# Altium PCB Pleiades_PP.PcbDoc (part 15 of 15)
Units mil, origin at the board's own origin, x right, y up, seen from the top; angles counter-clockwise.
Board outline 12244.09 x 4515.28 mil, 12 copper layers (TOP, GND1, IN1, GND2, POW1, GND3, POW2, GND4, GND5, IN2, GND6, BOT), stack 63.546 mil thick; 1447 components, 738 nets, 4532 pads, 3316 vias.
Unrouted connection lines stored in the file: 499.
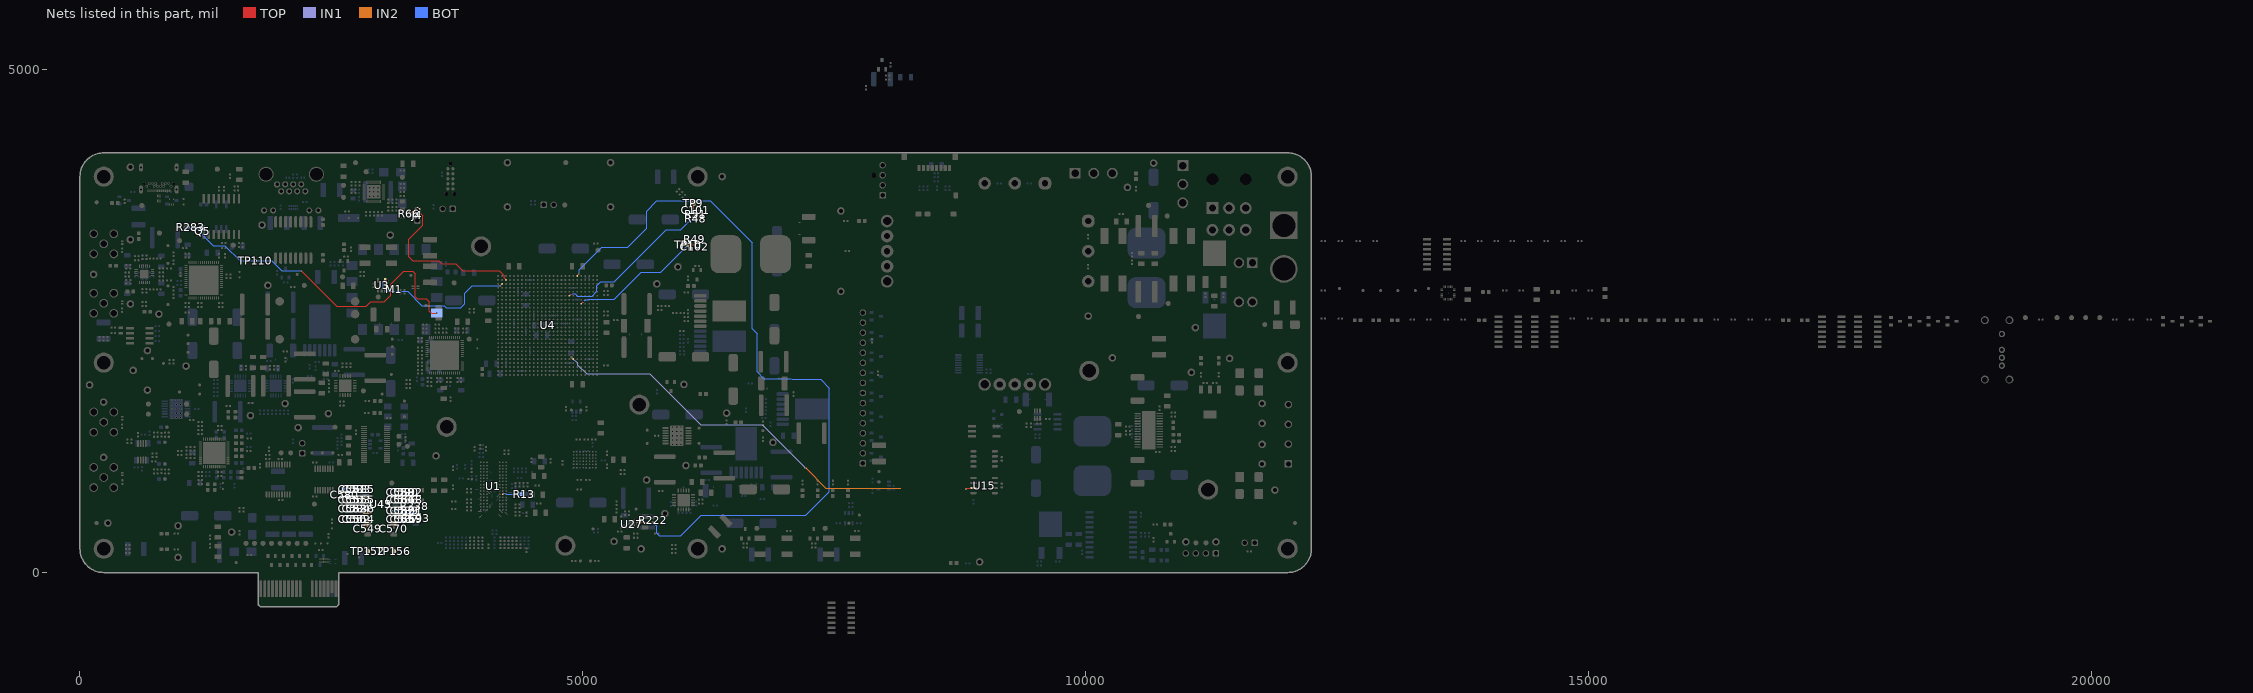
[diagram p25: the nets of this part, all layers, seen from the top]

## Via types
v1: diameter 12/18/18/18/18/18/18/18/18/18/18/12 (per signal layer), hole 6, TOP to BOT, 2739 vias
v2: diameter 20, hole 10, TOP to BOT, 363 vias
v3: diameter 19.68, hole 7.87, TOP to BOT, 110 vias
v4: diameter 40, hole 20, TOP to BOT, 36 vias
v5: diameter 25, hole 12, TOP to BOT, 32 vias
v6: diameter 22, hole 12, TOP to BOT, 27 vias
v7: diameter 19.68, hole 11.81, TOP to BOT, 9 vias

## Nets (pads, with @x,y where several pads share a name; then routed paths per layer and width w, separated by ;. In a path a pad name is that pad's centre, name@x,y a point inside that pad or via, vN(x,y) a via of type N, cw(c..) or ccw(c..) an arc to the next point about the centre after c; other vN are vias at no path point) (continued)
USM1_ISO: U4.Y5 U15.3 | length 3929
  TOP w5: v1(8810,830) 8820,840 U15.3@8883.7,840
  TOP w8.89: v1(4885.83,2141.73) U4.Y5@4905.51,2122.05
  IN1 w5: v1(4885.83,2141.73) 4948.56,2079 4948.56,2062.73 5036.3,1975 5663.68,1975 6170.56,1468.11 6781.89,1468.11 7210,1040 v1(7215,1040)
  IN2 w5: v1(7215,1040) 7415.32,839.68 8160.32,839.68
VBATT: C101.1 R48.1 R51.1 TP9.1 U4.W21 | length 1760.1
  TOP w8.89: U4.W21@4866.14,2751.97 v1(4885.83,2771.65)
  TOP w10: v1(6081.46,3520) R48.1@6103.96,3520 6101.98,3521.98 6101.98,3668.02 TP9.1@6100,3670
  BOT w8.89: v1(4885.83,2771.65) 4922.51,2771.65 4945.43,2748.73 5093.73,2748.73 5140,2795 5140,2852.23 5177.77,2890 5310,2890 5830,3410 5971.46,3410 v1(6081.46,3520)
VBUS_DETECT_16: M1.18 Q5.3 R283.2 TP110.1 | length 3431.7
  TOP w6: v1(2199,2999) 2551.5,2646.5 2846.5,2646.5 2890,2690 3025,2690 3090,2755 3090,2865 3220,2995 3310,2995 3335,2970 3335,2740 3355,2720 3445,2720 3475,2690 3475,2600 3496.22,2578.78 v1(3547.24,2578.78)
  BOT w6: R283.2@1082.5,3435 1082.5,3419.2 1086.01,3415.69 1201.32,3415.69 1205.38,3419.75 1207.26,3419.75 Q5.3@1220,3432.48 ; Q5.3@1220,3434.37 Q5.3@1220,3432.48 ; v1(2199,2999) 2006,2999 1905,3100 v1(1745,3100) 1591.29,3100 1441.29,3250 1322.93,3250 1220,3352.93 Q5.3@1220,3432.48
VDD1_PCI_1: C549.1 C550.1 C551.1 C552.1 C553.1 C554.1 C555.1 TP152.1 U43.3 U43.9 | length 425.5
  TOP w10: v1(2687.5,742.5) C551.1@2710,742.5 2710.74,743.24 2841.62,743.24 U43.3@2842.36,743.98 ; C550.1@2710,547.5 C552.1@2750,547.5 C554.1@2790,547.5 2795,552.5 2795,565.07 2820.36,590.43 U43.9@2842.36,590.43 ; v1(2812.5,471) C549.1@2835,471 ; v1(2858.58,448.5) C549.1@2858.58,471 ; TP152.1@2860,228.71 v1(2860,251.21) ; U43.9@2867.5,590.43 v1(2890,590.43) ; U43.3@2867.5,743.24 v1(2890,743.24)
VDD1_PCI_2: C580.1 C581.1 C582.1 C583.1 C584.1 C585.1 C586.1 U45.3 U45.9 | length 443.8
  BOT w10: v1(2610,790.5) C580.1@2610,813 ; C580.1@2630,828 2643.5,814.5 2788,814.5 C585.1@2790,812.5 2795,807.5 2795,794.93 2820.36,769.57 U45.9@2842.36,769.57 ; v1(2642.04,790.5) C580.1@2642.04,813 ; U45.3@2867.5,615.48 v1(2890,615.48)
  BOT w12: C582.1@2710,616.1 C582.1@2710,616.1 U45.3@2842.33,616.06 ; U45.3@2842.33,616.06 U45.3@2842.36,616.02
VDD2_PCI_1: C564.1 C565.1 C566.1 C567.1 C568.1 C569.1 C570.1 TP156.1 U43.12 U43.18 | length 455.5
  TOP w10: TP156.1@3120,228 v1(3120,250.5) ; v1(3121.42,448.5) C570.1@3121.42,471 ; U43.12@3137.64,590.43 3159.64,590.43 3185,565.07 3185,552.5 C565.1@3190,547.5 C567.1@3230,547.5 ; U43.18@3137.64,743.98 3138.38,743.24 3269.26,743.24 C568.1@3270,742.5 v1(3292.5,742.5) ; C570.1@3145,471 v1(3167.5,471) ; C565.1@3187.5,550 v1(3187.5,572.5) ; 3203.82,743.24 v1(3203.82,758.24) ; v1(3230,570) C567.1@3230,547.5 ; 3250,745 v1(3250,760) ; C569.1@3270,547.5 C567.1@3230,547.5
VDD2_PCI_2: C587.1 C588.1 C589.1 C590.1 C591.1 C592.1 C593.1 R338.2 U45.12 U45.18 | length 556.4
  BOT w10: v1(3089.68,788.46) 3089.68,775.42 3095.54,769.57 U45.12@3112.18,769.57 ; v1(3097.5,616.1) U45.18@3120,616.1 ; U45.18@3137.64,616.02 3138.86,614.8 3172.7,614.8 C587.1@3190,597.5 C589.1@3230,597.5 C591.1@3270,597.5 ; U45.12@3137.64,769.57 3179.14,769.57 3185,775.42 3185,777.5 C588.1@3190,782.5 C590.1@3230,782.5 C592.1@3270,782.5 v1(3292.5,782.5) ; 3210,782.5 v1(3210,797.5) ; 3250,782.5 v1(3250,797.5) ; v1(3270,575) C591.1@3270,597.5 ; R338.2@3347.5,660 3347.5,600.5 C593.1@3340,593 3335.5,597.5 C591.1@3270,597.5
VFS: C102.1 R49.1 TP10.1 U4.AB19 | length 1415.2
  TOP w8.89: U4.AB19@4984.25,2673.23 v1(5003.94,2692.91)
  TOP w10: TP10.1@6047.5,3260 6048.75,3258.75 6113.75,3258.75 C102.1@6115,3257.5 R49.1@6115,3297.5
  BOT w8.89: v1(5003.94,2692.91) 5025.4,2714.38 5055.31,2714.38 5055.93,2715 5310,2715 5582.19,2987.19 5775.94,2987.19 v1(6048.13,3259.38)
VTT_PG: R222.2 U4.AA26 U27.9 | length 7696.9
  TOP w8.89: U4.AA26@4944.88,2948.82 v1(4964.57,2968.5)
  TOP w10: U27.9@5540.24,500.45 5540.51,500.73 5697.58,500.73 R222.2@5700.12,503.27
  BOT w8.89: v1(4964.57,2968.5) 4964.57,3009.57 5190,3235 5445,3235 5634.06,3424.06 5634.06,3594.06 5736.89,3696.89 6264.93,3696.89 6681.89,3279.93 6681.89,2426.1 6732.55,2375.44 6732.55,1994.97 6799.57,1927.95 7074.5,1927.95 7081.82,1920.63 7364.37,1920.63 7450.56,1834.44 7450.56,804.8 7214.7,568.95 6178.26,568.95 5974.31,365 5760,365 5732.62,392.38 5732.62,461.26 5692.37,501.51 v1(5657.09,501.51)
WDT_IN: U3.4 U4.B24 | length 1558.7
  TOP w8.89: v1(4177.17,2850.39) U4.B24@4196.85,2870.08
  TOP w10: U3.4@3037,2906 v1(3059.5,2906)
  BOT w10: v1(3059.5,2906) 3026,2906 3015,2895 3015,2834.7 3054.7,2795 3259.85,2795 3399.85,2655 3620.87,2655 3643.87,2632 3787,2632 3825,2670 3825,2776.49 3898.9,2850.39 v1(4177.17,2850.39)
WDTO: J4.2 R66.1 U4.C25 | length 1704.4
  TOP w8.89: J4.2@3355,3600 3410,3545 3410,3455 3268.55,3313.55 3268.55,3141.45 3310,3100 3566.31,3100 3596.31,3070 3735,3070 3804.74,3000.26 4168.47,3000.26 4216.54,2952.19 4216.54,2929.13 U4.C25@4236.22,2909.45
  TOP w12: R66.1@3275,3582.5 3323.16,3582.5 3340.66,3600 J4.2@3355,3600
ZQ_6: R13.2 U1.L8 | length 195.6
  TOP w8.89: U1.L8@4204.72,779.53 v1(4220.47,795.28)
  BOT w8.89: v1(4220.47,795.28) 4236.92,778.83 4385.29,778.83 R13.2@4386.46,780
pads on no net: D35.2 D59.2 F1. FD1.1 FD2.1 FD3.1 FD4.1 FD5.1 FD6.1 J2.- J5.0 J6. J15.SM1 J15.SM2 J15.SM3 J15.SM4 J17. J17.A2 J17.A3 J17.A8 J17.A10 J17.A11 J17.B2 J17.B3 J17.B8 J17.B10 J17.B11 J18.0 J18.9 J18.10 J19. J19.B10 J19.B12 J20.5 J20.A J20.B J20.C L13. L14. MT1.1 MT6.1 MT7.1 MT8.1 SW1.3 SW2.2 SW3.2 SW4.1 SW5.2 SW6.MT1 SW6.MT2 SW6.MT3 SW6.MT4 T1.4 T1.5 T1.12 T1.13 U1.J1 U1.J9 U1.L1 U1.L9 U1.M7 U4.A12 U4.A22 U4.AA1 U4.AA2 U4.AA3 U4.AA4 U4.AA5 U4.AA7 U4.AA8 U4.AA9 U4.AA14 U4.AA15 U4.AA18 U4.AA19 U4.AA22 U4.AA23 U4.AA24 U4.AB1 U4.AB3 U4.AB4 U4.AB5 U4.AB6 U4.AB7 U4.AB8 U4.AB9 U4.AB10 U4.AB15 U4.AB17 U4.AB18 U4.AB26 U4.AC1 U4.AC2 U4.AC3 U4.AC4 U4.AC5 U4.AC7 U4.AC9 U4.AC11 U4.AC14 U4.AC15 U4.AC17 U4.AC19 U4.AC20 U4.AC22 U4.AC23 U4.AC24 U4.AC25 U4.AC26 U4.AD1 U4.AD3 U4.AD4 U4.AD5 U4.AD6 U4.AD7 U4.AD8 U4.AD9 U4.AD14 U4.AD15 U4.AD21 U4.AD24 U4.AD26 U4.AE1 U4.AE2 U4.AE3 U4.AE5 U4.AE13 U4.AE15 U4.AE19 U4.AE21 U4.AE23 U4.AE24 U4.AF2 U4.AF4 U4.AF5 U4.AF6 U4.AF8 U4.AF13 U4.AF14 U4.AF15 U4.AF16 U4.AF19 U4.AF20 U4.AF21 U4.AF24 U4.B12 U4.B25 U4.B26 U4.C5 U4.C12 U4.C24 U4.C26 U4.D12 U4.D13 U4.D15 U4.D22 U4.D23 U4.D24 U4.D26 U4.E12 U4.E14 U4.E18 U4.E23 U4.E24 U4.E25 U4.E26 U4.F8 U4.F12 U4.F13 U4.F14 U4.F18 U4.F22 U4.F24 U4.F26 U4.G9 U4.G11 U4.G13 U4.G17 U4.G19 U4.G22 U4.G23 U4.G24 U4.G25 U4.G26 U4.H9 U4.H10 U4.H12 U4.H13 U4.H16 U4.H18 U4.H19 U4.H20 U4.H21 U4.H22 U4.H24 U4.H26 U4.J11 U4.J12 U4.J13 U4.J16 U4.J17 U4.J20 U4.J22 U4.J23 U4.J24 U4.J25 U4.J26 U4.K12 U4.K14 U4.K15 U4.K18 U4.K20 U4.K21 U4.K22 U4.K24 U4.K26 U4.L17 U4.L18 U4.L20 U4.L21 U4.L23 U4.L25 U4.L26 U4.M4 U4.M9 U4.M18 U4.M19 U4.M23 U4.M24 U4.M26 U4.N3 U4.N4 U4.N5 U4.N9 U4.N17 U4.N18 U4.N21 U4.N22 U4.N23 U4.N24 U4.N25 U4.N26 U4.P1 U4.P3 U4.P5 U4.P20 U4.P24 U4.R5 U4.R6 U4.R10 U4.T1 U4.T3 U4.T4 U4.T9 U4.T22 U4.T23 U4.U1 U4.U2 U4.U3 U4.U4 U4.U12 U4.U13 U4.U15 U4.U17 U4.U19 U4.U20 U4.U22 U4.V1 U4.V3 U4.V4 U4.V5 U4.V6 U4.V7 U4.V11 U4.V12 U4.V13 U4.V14 U4.V15 U4.V17 U4.V18 U4.V19 U4.V20 U4.V22 U4.W1 U4.W2 U4.W3 U4.W5 U4.W7 U4.W8 U4.W9 U4.W11 U4.W12 U4.W14 U4.W16 U4.W22 U4.Y1 U4.Y3 U4.Y6 U4.Y8 U4.Y9 U4.Y10 U4.Y18 U4.Y20 U4.Y21 U4.Y22 U5.6 U5.7 U5.9 U5.10 U5.13 U5.33 U5.49 U5.50 U5.51 U5.52 U5.53 U5.54 U5.55 U5.56 U5.57 U5.58 U5.59 U5.60 U5.61 U5.62 U5.63 U5.64 U6.A4 U6.C3 U6.C4 U6.D3 U6.D4 U6.E3 U6.E4 U6.F2 U6.F3 U6.F4 U6.G2 U9.22 U39.14 U39.15 U40.1 U40.2 U40.37 U40.38 U41.15 U44.7 U45.5 U45.6 U46.6 U46.12 U46.15 U47.1 U48.1 U48.2 U48.3 U48.4 U48.5 U48.6 U48.7 U48.14 U48.15 U48.16 U48.17 U48.19 U48.21 U48.25 U49.1 U50.1 U55.3 Y1.1
copper on no net: | length 26944.8
  TOP w8.89: v1(4846.46,2417.32) 4866.14,2437.01 ; v1(4885.83,2417.32) 4905.51,2437.01 ; v1(4925.2,2417.32) 4944.88,2437.01 ; v1(4964.57,2417.32) 4984.25,2437.01 ; v1(5003.94,2417.32) 5023.62,2437.01 ; v1(5043.31,2417.32) 5062.99,2437.01 ; 5062.99,2397.64 v1(5082.68,2417.32) ; v1(5122.05,2377.95) 5141.73,2397.64
  TOP w12: 4250,3295 4250,3395 4329.5,3474.5 4329.5,3504.5 4350,3525 ; 4250,3735 4250,3835 ; 5275,3295 5275,3395 5317.64,3437.64 5317.64,3467.64 5375,3525 ; 5275,3835 5318.5,3791.5 5441.5,3791.5 5485,3835
  IN1 w5: v1(4846.46,2417.32) 4863.24,2417.32 4868.33,2422.41 4868.33,2424.57 4880.76,2437.01 4890.89,2437.01 4903.33,2449.44 4903.33,2453.84 4994.49,2545 5208.69,2545 5217.19,2553.5 6580.59,2553.5 6589.09,2545 6901.26,2545 6941.26,2585 7785,2585 ; v1(4885.83,2417.32) 4993.5,2525 5200,2525 5215,2540 5265,2540 5290,2515 5345,2515 5355,2525 6650,2525 6666.05,2508.95 7472.37,2508.95 7596.31,2385 7785,2385 ; v1(4925.2,2417.32) 4989.9,2482.03 5132.67,2482.03 5145.2,2494.55 5344.55,2494.55 5355,2505 5380,2505 5390,2495 6045,2495 6065,2475 7430,2475 7720,2185 7785,2185 ; v1(4964.57,2417.32) 4964.57,2434.57 5000.14,2470.14 5984.86,2470.14 6010,2445 7325,2445 7785,1985 ; v1(5003.94,2417.32) 5031.35,2444.73 5306.58,2444.73 5312.81,2438.5 5369.27,2438.5 5375.77,2445 5855,2445 5885,2415 7155,2415 7785,1785 ; v1(5043.31,2417.32) 5062.72,2436.73 5303.27,2436.73 5363.5,2376.5 6993.5,2376.5 7785,1585 ; v1(5082.68,2417.32) 5108.6,2391.4 5300.67,2391.4 5347.07,2345 6925,2345 7718.43,1551.57 7718.43,1451.57 7785,1385 ; v1(5122.05,2377.95) 5212.05,2377.95 5325,2265 5906.26,2265 5956.26,2315 6844.09,2315 7658.44,1500.65 7658.44,1311.56 7785,1185
  IN2 w12: 4250,3835 4329.5,3914.5 4329.5,3944.5 4350,3965
  BOT w10: 7785,1185 7785.5,1185.5 7871.04,1185.5 7871.54,1186 ; 7785,1385 7785.5,1385.5 7871.04,1385.5 7871.54,1386 ; 7785,1585 7785.5,1585.5 7871.04,1585.5 7871.54,1586 ; 7785,1785 7785.5,1785.5 7871.04,1785.5 7871.54,1786 ; 7785,1985 7785.5,1985.5 7871.04,1985.5 7871.54,1986 ; 7785,2185 7785.5,2185.5 7871.04,2185.5 7871.54,2186 ; 7785,2385 7785.5,2385.5 7871.04,2385.5 7871.54,2386 ; 7785,2585 7785.5,2585.5 7871.04,2585.5 7871.54,2586
  BOT w12: 5275,3835 5354.5,3914.5 5354.5,3944.5 5375,3965
  other v2: 12007.87,156.22 11967.87,166.94 12047.87,166.94 11938.59,196.22 12077.16,196.22 11927.87,236.22 12087.87,236.22 11938.84,276.33 12077.16,276.22 11967.87,305.5 12047.87,305.5 12007.87,316.22 12007.87,2006.61 11967.87,2017.33 12047.87,2017.33 11938.59,2046.61 12077.16,2046.61 11927.87,2086.61 12087.87,2086.61 11938.84,2126.72 12077.16,2126.61 11967.87,2155.9 12047.87,2155.9 12007.87,2166.61 236.22,3857.01 12007.87,3857.01 196.22,3867.73 276.22,3867.73 11967.87,3867.73 12047.87,3867.73 166.94,3897.01 305.5,3897.01 11938.59,3897.01 12077.16,3897.01 156.22,3937.01 316.22,3937.01 11927.87,3937.01 12087.87,3937.01 167.19,3977.12 305.5,3977.01 11938.84,3977.12 12077.16,3977.01 196.22,4006.29 276.22,4006.29 11967.87,4006.29 12047.87,4006.29 236.22,4017.01 12007.87,4017.01

## Polygon pours and split planes (outlines as drawn)
GND on TOP "NONET_L01_P-001" (solid, pour order 88): 2278.49,2331.6 2488.49,2331.6 2488.49,2661.6 2278.49,2661.6
GND on TOP "NONET_L01_P-001" (solid, pour order 86): 6620.81,2195 6620.81,2405 6290.81,2405 6290.81,2195
GND on TOP "NONET_L01_P-001" (solid, pour order 85): 7440.81,1520 7440.81,1730 7110.81,1730 7110.81,1520
GND on TOP "NONET_L01_P-001" (solid, pour order 84): 6520,1115 6730,1115 6730,1445 6520,1445
+12V on TOP "NONET_L01_P-001" (solid, pour order 64): 3260,2870 3260,2510 3175,2425 3175,2125 3150,2100 2525,2100 2500,2125 2500,2250 2525,2275 2875,2275 2900,2300 2900,2650 2925,2675 3100,2675 3110,2685 3110,2870
+VTT on TOP "NONET_L01_P-001" (solid, pour order 56): 4500,335 4500,255 3580.27,255 3575,260.27 3575,335
USBVDDO_16 on TOP "NONET_L01_P-001" (solid, pour order 45): 1330,4045 1330,3830 1345,3815 1460,3815 1460,3660 1505,3660 1505,4030 1490,4045
no net on Bottom Courtyard "TOP COATING" (solid): 0,0 0,4175 12245,4175 12245,0 0,0
no net on Bottom Courtyard "BOT COATING" (solid): 0,0 0,4175 12245,4175 12245,0 0,0
+1V2D on BOT "NONET_L01_P-001" (solid, pour order 60): 5985,2800 5960,2825 5680,2825 5655,2800 5375,2800 5350,2775 5350,2650 5325,2625 4490,2625 4465,2600 4465,2300 4490,2275 4800,2275 4925,2400 5325,2400 5350,2375 5350,2125 5375,2100 5625,2100 5650,2075 5650,1540 5675,1515 5875,1515 5875,1800 5900,1825 6050,1825 6075,1850 6075,2775 6050,2800
GND on BOT "NONET_L01_P-001" (solid, pour order 87): 6289.19,2495 6289.19,2705 6619.19,2705 6619.19,2495
+VTT on BOT "NONET_L01_P-001" (solid, pour order 57): 4500,335 4500,255 3580.27,255 3575,260.27 3575,335
GND on BOT "NONET_L01_P-001" (solid, pour order 49): 575,3030 705,3030 705,2905 575,2905
+24V_MOT on POW1 "+24V_MOT" (solid, pour order 74): 10975,535 10820,690 8310,690 8310,1490 8145,1655 8145,2245 12245,2245 12245,535
+3V3D on POW1 "NONET_L01_P-001" (solid, pour order 210): 8510,690 8310,690 8310,1490 8145,1655 8145,4175 2500,4175 2500,3305 1695,3305 1695,3540 0,3540 0,0 725,0 725,720 1705,720 1705,925 2990,925 2990,0 8510,0
+5V_CAN on POW1 "+5V_CAN" (solid, pour order 75): 10820,0 12245,0 12245,535 10975,535 10820,690 8510,690 8510,0
+3V3D on POW1 "NONET_L01_P-001" (solid, pour order 5): 625,2475 625,2250 850,2250 850,2475
+3V3A on POW1 "NONET_L01_P-001" (solid, pour order 77): 1250,2750 1695,2750 1695,3540 0,3540 0,0 725,0 725,720 1705,720 1705,1475 2350,1475 2350,2050 1250,2050
+VDDR on POW1 "NONET_L01_P-001" (solid, pour order 76): 4625.16,1355.16 4625.16,2025 4550,2025 4550,2200 4420,2200 4250,2025 3940,2025 3940,1240.32 3475,1240.32 3475,0 6135,0 6135,790 6135,1000 5575,1000 5576.87,790 4740,790 4740,1240.32
+1V2D on POW1 "NONET_L01_P-001" (solid, pour order 6): 5810,2535 5810,2385 5920,2385 5920,2535
+1V2D on POW1 "NONET_L01_P-001" (solid, pour order 55): 4550,2210 4550,2305 4540,2315 4525,2315 4515,2305 4515,2260 4390,2260 4215,2085 3870,2085 3870,1310 3425,1310 3425,70 3100,70 3100,1025 2790,1025 2790,1145 2775,1160 2760,1160 2745,1145 2745,925 2990,925 2990,0 3475,0 3475,1240.32 3940,1240.32 3940,2025 4245,2025 4430,2210
+3V3_PCI on POW1 "PCI" (solid, pour order 13): 725,720 1705,720 1705,925 2990,925 2990,0 2570.68,0 2570.68,-342.05 1772.31,-342.05 1772.31,0 725,0
-6V on POW1 "NONET_L01_P-001" (solid, pour order 89): 2875,1650 2350,1650 2350,2050 1250,2050 1250,2750 1695,2750 1695,2850 2875,2850 2875,2050
+5V_USB_IN on POW1 "USB" (solid, pour order 14): 0,3540 0,4175 1695,4175 1695,3540
VDD2_PCI_2 on IN2 "NONET_L01_P-001" (solid, pour order 61): 2990,857.17 2990,0 3345,0 3345,857.17
VDD1_PCI_2 on IN2 "NONET_L01_P-001" (solid, pour order 53): 2570.68,925 2990,925 2990,0 2570.68,0
+5V_MOT on POW2 "+5V_MOT" (solid, pour order 17): 10975,535 10820,690 8310,690 8310,1490 8145,1655 8145,2245 12245,2245 12245,535
+12V on POW2 "NONET_L01_P-001" (solid, pour order 66): 3259.33,4176.38 3259.33,3505 2825,3505 2825,2750 3400,2750 3400,3245 6754.61,3245 6775,0 8510,0 8510,690 8310,690 8310,1490 8145,1655 8145,4176.38 6775,4176.38
+5V0A on POW2 "NONET_L01_P-001" (solid, pour order 71): 375,3085 375,1175 900,1175 900,1625 1375,1625 1750,1250 2275,1250 2275,1960 1951.14,1960 1955,1825 900,1825 900,2800 810,2800 525,3085
-5V0A on POW2 "NONET_L01_P-001" (solid, pour order 70): 1050,1025 236.22,1025 236.22,3300 1125,3300 1125,2800 810,2800 525,3085 375,3085 375,1175 900,1175 900,1625 1375,1625 1750,1250 2275,1250 2275,1825 2675,1825 2675,1500 2500,1500 2500,1150 1675,1150 1300,1525 1050,1525
+1V8D on POW2 "NONET_L01_P-001" (solid, pour order 69): 3900,3245 6774.49,3245 6774.49,1125.51 6775,1125 5482.62,1125 5482.62,547.7 3520,547.7 3520,925 1705,925 1705,720 725,720 725,0 0,0 0,3540 1695,3540 1695,2415 1125,2415 1125,3300 236.22,3300 236.22,1025 1050,1025 1050,1525 1300,1525 1675,1150 3900,1150
+3V3_SENSE on POW2 "NONET_L01_P-001" (solid, pour order 68): 2500,1500 2500,1150 3150,1150 3150,1500
+12V_PCI on POW2 "PCI" (solid, pour order 52): 725,720 1705,720 1705,925 2570.68,925 2570.68,0 2570.68,-342.05 1772.31,-342.05 1772.31,0 725,0
+VCC_USB on POW2 "NONET_L01_P-001" (solid, pour order 65): 3400,3245 3700,3245 3700,2525 3400,2525 3400,2250 3150,2250 3150,2550 2450,2550 2450,3130 1325,3130 1325,3400 1050,3400 1050,3540 1700,3540 1700,3300 2825,3300 2825,2750 3400,2750
+6V on POW2 "NONET_L01_P-001" (solid, pour order 73): 900,2800 1125,2800 1125,2415 1695,2415 1695,3130 2450,3130 2450,1825.3 2449.7,1825 2275,1825 2275,1960 1953.59,1960 1953.59,1826.81 1954.99,1825.41 1954.58,1825 900,1825
VDD2_PCI_1 on POW2 "NONET_L01_P-001" (solid, pour order 62): 2990,925 2990,0 3520,0 3520,925
+3V3D_ETH on POW2 "NONET_L01_P-001" (solid, pour order 48): 3259.33,4175 3259.33,3505 2825,3505 2825,3300 2570.68,3300 2570.68,3690 2879.33,3690 2879.33,4175
+3V3A_ETH on POW2 "NONET_L01_P-001" (solid, pour order 47): 2500,3830.67 2500,3690 2879.33,3690 2879.33,3830.67
+1V2D_ETH on POW2 "NONET_L01_P-001" (solid, pour order 46): 2500,4175 2500,3830 2880,3830 2879.33,3830.67 2879.33,4175
+2V5D on POW2 "NONET_L01_P-001" (solid, pour order 59): 5482.62,1125 5482.62,25.49 6775,25.49 6775,1125
+VCC_OSC on POW2 "NONET_L01_P-001" (solid, pour order 67): 3150,1500 3150,1200 3325,1200 3325,1500
+VCC_PLL on POW2 "NONET_L01_P-001" (solid, pour order 63): 3930,2655 3930,1800 3200,1800 3200,1900 3400,1900 3400,2655
+VTT on POW2 "NONET_L01_P-001" (solid, pour order 58): 3520,547.7 3520,0 5482.62,0 5482.62,547.7
VDD1_PCI_1 on POW2 "NONET_L01_P-001" (solid, pour order 54): 2570.68,925 2990,925 2990,0 2570.68,0
GND_MOT on GND1 "MOT" (solid, pour order 196): 10975,535 10820,690 8310,690 8310,1490 8145,1655 8145,2245 12245,2245 12245,535
GND on GND1 "GND" (solid, pour order 209): 0,0 725,0 725,720 1705,720 1705,925 2990,925 2990,0 8510,0 8510,690 8310,690 8310,1490 8145,1655 8145,4173.23 2500,4173.23 2500,3305 1695,3305 1695,3540 0,3540
GND_CAN on GND1 "CAN" (solid, pour order 197): 10820,0 12245,0 12245,535 10975,535 10820,690 8510,690 8510,0
NetC3_1 on GND1 "NONET_L01_P-001" (solid, pour order 208): 6427.92,362.61 6222.85,157.55 6063.76,316.65 6268.82,521.71
NetC1_1 on GND1 "NONET_L01_P-001" (solid, pour order 207): 349.21,2322.6 349.21,2088.35 124.21,2088.35 124.21,2322.6
NetC4_1 on GND1 "NONET_L01_P-001" (solid, pour order 206): 472.21,123.23 237.95,123.23 237.95,348.23 472.21,348.23
NetC3_1 on GND1 "NONET_L01_P-001" (solid, pour order 205): 5905.74,123.23 6140,123.23 6140,348.23 5905.74,348.23
NetC2_1 on GND1 "NONET_L01_P-001" (solid, pour order 204): 5894.96,3850.04 6060.61,4015.68 6219.71,3856.58 6054.06,3690.94
NetC2_1 on GND1 "NONET_L01_P-001" (solid, pour order 203): 5850,4050 6140,4050 6140,3825 5850,3825
PCI_GND on GND1 "PCI" (solid, pour order 202): 725,720 1705,720 1705,925 2990,925 2990,0 2570.68,0 2570.68,-342.05 1772.31,-342.05 1772.31,0 725,0
USB_GND on GND1 "USB" (solid, pour order 201): 0,3540 0,4175 1695,4175 1695,3540
ETHERNET_GROUND on GND1 "ETH" (solid, pour order 194): 2500,3305 2500,4175 1695,4175 1695,3305
NetC1_1 on GND1 "MT2" (solid, pour order 193): 36.22,2086.61 ccw(c236.22,2086.61) 236.22,1886.61 ccw(c236.22,2086.61) 436.22,2086.61 ccw(c236.22,2086.61) 236.21,2286.61 ccw(c236.21,2086.62)
NetC2_1 on GND1 "MT3" (solid, pour order 192): 5941.73,3937.01 ccw(c6141.73,3937) 6141.73,3737.01 ccw(c6141.73,3937.01) 6341.73,3937.01 ccw(c6141.73,3937) 6141.73,4137 ccw(c6141.72,3937.01)
NetC3_1 on GND1 "MT4" (solid, pour order 191): 5941.73,236.22 ccw(c6141.73,236.22) 6141.73,36.22 ccw(c6141.73,236.22) 6341.73,236.22 ccw(c6141.73,236.21) 6141.73,436.21 ccw(c6141.72,236.22)
NetC4_1 on GND1 "MT5" (solid, pour order 190): 36.22,236.22 ccw(c236.22,236.22) 236.22,36.22 ccw(c236.22,236.22) 436.22,236.22 ccw(c236.22,236.21) 236.21,436.21 ccw(c236.21,236.22)

## Keep-outs
Keep-Out Layer:
  circle w120: c165.35,3681.54 r5
  circle w120: c12080.67,492.13 r5
  circle w120: c165.35,492.13 r5
  lines w98.43: 0,3937.01 cw(c236.22,3937.01) 236.22,4173.23 12007.87,4173.23 cw(c12007.87,3937.01) 12244.09,3937.01 ; 0,3949.51 0,236.22 ccw(c236.22,236.22) 236.22,0 12007.87,0 ccw(c12007.87,236.22) 12244.09,236.22 12244.09,3949.51
  lines w125: 0,3540 1695,3540 ; 725,0 725,720 1705,720 1705,925 2990,925 2990,0 ; 1695,4175 1695,3305 2500,3305 2500,4175 ; 8840,4175 8840,2245 ; 10255,15 10255,690 ; 12245,535 11120,535 10965,690 8990,690 8990,1706.25 8840,1856.25 8840,2245 ; 12245,2245 8840,2245

## Silkscreen, mask and mechanical layers (free items; w line width, h text height)
Top Overlay:
  drawing of 194 lines, arcs and shapes, not listed
  text "IO7" at 7619.48,2561.05 h75
  text "IO6" at 7618.91,2361.05 h75
  text "3V3" at 7606.07,2261.37 h75
  text "IO5" at 7618.55,2161.05 h75
  text "IO4" at 7618.08,1961.05 h75
  text "IO3" at 7619.38,1761.05 h75
  text "IO2" at 7619.9,1561.05 h75
  text "IO1" at 7627.44,1361.05 h75
  text "3V3" at 7606.07,1261.37 h75
  text "X" at 11244.17,1261.33 h240
  text "IO0" at 7619.85,1161.05 h75
  text ".Project_Name" at 9228.8,700 h80
  text "E" at 10095.47,450.49 h240
  text "H2024 / Revision B" at 9197.6,435 h120
  text "o" at 9845.25,357.25 h360
  text ".Project_Designer2 / www.raesangur.com" at 9197.6,224.89 h40
  text "230" at 406,56 h40
  text ".Project_Designer4 / www.github.com/freder202" at 9197.6,36.86 h40
Bottom Overlay:
  lines w5: 540,2895 540,2900 545,2905 545,2915 ; 540,3035 540,3030 545,3025 545,3015 ; 580,2895 580,2900 585,2905 590,2905 ; 580,3035 580,3030 585,3025 590,3025 ; 690,2905 695,2905 700,2900 700,2895 ; 690,3025 695,3025 700,3030 700,3035 ; 735,2915 735,2905 740,2900 740,2895 ; 735,3015 735,3025 740,3030 740,3035 ; 818.54,2326.46 830,2315 830,2260 ; 820,2380 855,2380 875,2360 875,2260 ; 880,2855 880,2890 895,2905 925,2905 ; 915,2855 915,2860 920,2865 925,2865 ; 1315,940 1320,945 1320,985 1315,990 ; 1380,795 1385,795 1395,805 1395,820 ; 1690,1732.95 1717.05,1760 ; 2042.98,1978.28 2070.03,1951.23 ; 2373.49,2057.41 2373.49,1967.41 2393.49,1947.41 2393.49,1906.41 ; 2745,3655 2755,3655 2771.46,3671.46 ; 3130,1145 3155,1170 3170,1170 ; 3710,1890 3715,1885 3715,1675 3725,1665 ; 3710,1930 3730,1910 3730,1740 3730,1730 3740,1720 ; 4060,365 4060,350 4075,335 4095,335 ; 10445,1490 10470,1490 10475,1485 ; 4095,335 4090,330 4090,340 4095,335 ; 540,2915 545,2920 550,2915 540,2915 ; 540,3015 545,3010 550,3015 540,3015 ; 590,2900 590,2910 595,2905 590,2900 ; 590,3020 595,3025 590,3030 590,3020 ; 685,2905 690,2910 690,2900 685,2905 ; 685,3025 690,3030 690,3020 685,3025 ; 730,2915 740,2915 735,2920 730,2915 ; 730,3015 735,3010 740,3015 730,3015 ; 815,2322.93 815,2330 822.07,2330 815,2322.93 ; 815,2380 820,2375 820,2385 815,2380 ; 925,2860 930,2865 925,2870 925,2860 ; 925,2900 930,2905 925,2910 925,2900 ; 1311.46,986.46 1318.54,993.54 1311.46,993.54 1311.46,986.46 ; 1390,820 1395,825 1400,820 1390,820 ; 2368.49,2057.41 2373.49,2062.41 2378.49,2057.41 2368.49,2057.41 ; 2767.93,3675 2775,3675 2775,3667.93 2767.93,3675 ; 3170,1165 3175,1170 3170,1175 3170,1165 ; 3706.46,1886.46 3713.54,1893.54 3706.46,1893.54 3706.46,1886.46 ; 3706.46,1926.46 3713.54,1933.54 3706.46,1933.54 3706.46,1926.46 ; 10471.46,1481.46 10478.54,1488.54 10478.54,1481.46 10471.46,1481.46 ; 12730,1350 13730,1350 13730,1875 12730,1875 12730,1350
  lines w10: 818.54,2326.46 818.54,2326.46
Board Outline:
  lines w5: 1700,0 236.22,0 cw(c236.22,236.22) 0,236.22 0,3937.01 cw(c236.22,3937.01) 236.22,4173.23 12007.87,4173.23 cw(c12007.87,3937.01) 12244.09,3937.01 12244.1,236.22 cw(c12007.87,236.22) 12007.87,0 2650,0
Title:
  drawing of 47 lines, arcs and shapes, not listed
  text "1" at -3661.06,9684.09 h100
  text "2" at -880.4,9684.09 h100
  text "3" at 1898.94,9684.09 h100
  text "4" at 4695.61,9684.09 h100
  text "5" at 7478.95,9684.09 h100
  text "6" at 10269.6,9684.09 h100
  text "7" at 13069.6,9684.09 h100
  text "8" at 15849.6,9684.09 h100
  text "A" at -4912.4,7826.09 h100
  text "A" at 17087.6,7826.09 h100
  text "B" at -4912.4,3896.09 h100
  text "B" at 17087.6,3896.09 h100
  text "C" at -4912.4,-23.91 h100
  text "C" at 17087.6,-23.91 h100
  text "D" at -4912.4,-3953.91 h100
  text "D" at 17087.6,-3953.91 h100
  text "ALL DIMENSIONS ARE IN THOUSANDS OF INCHES (MILS)" at 14097.6,-4275.91 h60
  text "TITLE:" at 14012.6,-4430.91 h45
  text "PASCAL-EMMANUEL LACHANCE" at 12497.6,-4445.91 h60
  text "FREDERIC BILODEAU" at 12697.76,-4570.91 h60
  text "PLEIADES" at 14562.6,-4680.91 h150
  text "DATE:" at 12512.6,-5030.91 h45
  text "PART NO.:" at 14012.6,-5030.91 h45
  text "REV:" at 16112.6,-5030.91 h45
  text ".Project_Revision" at 16382.6,-5140.91 h60
  text ".PRINT_DATE" at 12562.6,-5150.91 h70
  text "FILE NAME:" at 12512.6,-5330.91 h45
  text "DWG NO:" at 14012.6,-5330.91 h45
  text "SCALE:" at 16112.6,-5330.91 h45
  text ".PCB_FILE_NAME_NO_PATH" at 12562.6,-5450.91 h70
  text "1" at -3661.06,-5705.91 h100
  text "2" at -880.4,-5705.91 h100
  text "3" at 1898.94,-5705.91 h100
  text "4" at 4695.61,-5705.91 h100
  text "5" at 7478.95,-5705.91 h100
  text "6" at 10269.6,-5705.91 h100
  text "7" at 13069.6,-5705.91 h100
  text "8" at 15849.6,-5705.91 h100
Manufacturing Notes:
  circle w10: c3100.39,-757.87 r101.33
  circle w10: c2165.35,-167.32 r450
  lines w10: 1341.5,-1323.71 1341.5,-1538.98 1361.35,-1593.53 ; 1361.69,-1594.47 ccw(c1381.89,-1574.27) 1402.09,-1594.47 ; 1402.43,-1593.53 1422.29,-1538.98 ; 1422.29,-1243.7 1422.29,-1538.98 ; 1429.13,-1520.18 1422.29,-1538.98 ; 1435.97,-1501.39 1442.81,-1482.6 ; 1449.65,-1463.8 1456.49,-1445.01 ; 1463.33,-1426.21 1470.17,-1407.42 ; 1477.01,-1388.63 1483.85,-1369.83 ; 1490.69,-1351.04 1497.53,-1332.24 ; 1504.37,-1313.45 1511.21,-1294.66 ; 2466.54,-501.67 2470.18,-501.67 2726.38,-757.87 2992.13,-757.87 ; 1075.75,-1184.65 2837.56,-1184.65 2837.56,-1853.94 1075.75,-1853.94 1075.75,-1184.65 ; 1075.75,-1184.65 1282.44,-1184.65 1282.44,-977.95 1075.75,-977.95 1075.75,-1184.65
  text "FABRICATION NOTES: / [1]     FABRICATE TO IPC CLASS 3 STANDARD. / [2]     FABRICATE PCB USING ONLY RoHS COMPLIANT MATERIALS. /            FINAL PRODUCT SHALL BE ACCEPTABLE TO USE IN RoHS ASSEMBLY. / [3]     ADD MANUFACTURING MARKING (LOGO / DATE / UL MARKING / RoHS) ON SILKSCREEN BOTTOM SIDE OF PCB. /            ([.gbo], IN AREA MARKED #3 IN MANUFACTURING NOTES LAYER [M8]) / [4]     MATERIAL SHALL MEET UL 94V-0 FAMMABILITY RATING. / [5]     DO NOT APPLY SILKSCREEN OVER EXPOSED COPPER OR SOLDERMASK EXPANSION. /            CLIP SILKSCREEN AROUND EXPOSED COPPER. /            CLIP SILKSCREEN AROUND SOLDERMASK EXPANSION. / [6]     DO NOT FILL VIAS OR PLATE OVER. /            TREAT VIA-IN-PAD AS NORMAL PTH VIAS. / [7]     TENT VIAS WITH SOLDERMASK ACCORDING TO SOLDERMASK LAYERS. / [8]     DIAMETERS IN DRILL HOLE TABLE ARE FINISHED SIZES. / [9]     APPLY GREEN TRANSPARENT SOLDERMASK OVER BARE COPPER ACCORDING TO SOLDERMASKS LAYERS. / [10]    APPLY NON-CONDUCTIVE WHITE INK AFTER SOLDERMASK ACCORDING TO SILKSCREEN LAYERS. / [11]    APPLY ENIG SURFACE FINISH ON ALL EXPOSED COPPER / [12]    BOW AND TWIST SHALL NOT EXCEED 0.0075 INCH PER INCH. / [13]    ALL SPECIFICATIONS REFERENCED SHALL BE OF THE LATEST REVISION. /            ALL DESIGN MODIFICATIONS MUST BE APPROVED BY CUSTOMER. / [14]    BOARD IS VIEWED FROM PRIMARY SIDE (LAYER 1 - TOP). /            THE STACKUP HAS 12 CONDUCTIVE LAYERS. /            ALL INNER CONDUCTIVE LAYERS ARE HALF OZ/IN THICK +/- 10% /            TOP AND BOTTOM LAYERS ARE 1 OZ/IN THICK +/- 10% / [15]    MINIMUM TRACE WIDTH AND CLEARANCE ARE 3MILS / 3MILS / [16]    MINIMUM HOLE SIZE AFTER PLATING IS 6MILS. REFER TO DRILL TABLE FOR TOLERANCES. / [17]    APPLY SOLDER RESIST BETWEEN ALL SMT PADS. /            FINEST SOLDERMASK NECK IS 3MIL BETWEEN PADS. /            SOLDERMASK EXPANSION IS SET TO 3MIL ON ALL PADS. / [18]    CHAMFER BOARD EDGE AS PER DETAIL [A] / [19]    APPLY HUMISEAL 1A33 CONFORMAL COATING AS SPECIFIED BY M17-M18 LAYERS" at -4695,4295 h100
  text "#3" at 9891.68,396 h40
  text "ADD TEXT HERE" at 9671.75,311 h40
  text "(ON BOTTOM SILKSCREEN)" at 9505.14,216 h40
  text "A" at 3067.07,-807.86 h100
  text "A" at 1140.85,-1136.2 h100
  text "CHAMFER EDGES MUST BE FREE" at 1760.88,-1716.49 h40
  text "OF CUTTING BURRS." at 1760.88,-1779.04 h40
  text "1.6mm +/- 10%" at 1135.31,-1798.72 h40
Top Courtyard:
  circle w5: c9909.45,2005.55 r210.92
  circle w5: c3519.68,1448.82 r210.92
  circle w5: c3862.2,3244.09 r210.92
  circle w5: c11090.55,824.45 r210.92
  circle w5: c4700.79,267.72 r210.92
  circle w5: c5437.01,1669.29 r210.92
Bottom Courtyard:
  circle w5: c9909.45,2005.55 r210.92
  circle w5: c3862.2,3244.09 r210.92
  circle w5: c3519.68,1448.82 r210.92
  circle w5: c11090.55,824.45 r210.92
  circle w5: c4700.79,267.72 r210.92
  circle w5: c5437.01,1669.29 r210.92
Top Coating:
  drawing of 222 lines, arcs and shapes, not listed
Bottom Coating:
  pour cut-out: 386.22,236.22 cw(c236.22,236.22) 236.22,86.22 cw(c236.22,236.22) 86.22,236.22 cw(c236.22,236.22) 236.22,386.22 cw(c236.22,236.22)
  pour cut-out: 386.22,3937.01 cw(c236.22,3937.01) 236.22,3787.01 cw(c236.22,3937.01) 86.22,3937.01 cw(c236.22,3937.01) 236.22,4087.01 cw(c236.22,3937.01)
  pour cut-out: 386.22,2086.61 cw(c236.22,2086.61) 236.22,1936.61 cw(c236.22,2086.61) 86.22,2086.61 cw(c236.22,2086.61) 236.22,2236.61 cw(c236.22,2086.62)
  pour cut-out: 4012.2,3244.09 cw(c3862.21,3244.09) 3862.2,3094.09 cw(c3862.2,3244.09) 3712.2,3244.09 cw(c3862.2,3244.09) 3862.2,3394.09 cw(c3862.21,3244.1)
  pour cut-out: 3669.69,1448.82 cw(c3519.69,1448.82) 3519.68,1298.82 cw(c3519.68,1448.82) 3369.69,1448.82 cw(c3519.69,1448.82) 3519.69,1598.82 cw(c3519.69,1448.82)
  pour cut-out: 5587.01,1669.29 cw(c5437.01,1669.29) 5437.01,1519.29 cw(c5437.01,1669.29) 5287.01,1669.29 cw(c5437.01,1669.29) 5437.01,1819.29 cw(c5437.01,1669.29)
  pour cut-out: 4850.79,267.72 cw(c4700.79,267.72) 4700.79,117.72 cw(c4700.79,267.72) 4550.79,267.72 cw(c4700.79,267.72) 4700.79,417.72 cw(c4700.79,267.72)
  pour cut-out: 6291.73,236.22 cw(c6141.73,236.22) 6141.73,86.22 cw(c6141.73,236.22) 5991.73,236.22 cw(c6141.73,236.22) 6141.73,386.22 cw(c6141.73,236.22)
  pour cut-out: 6291.73,3937.01 cw(c6141.73,3937.01) 6141.73,3787.01 cw(c6141.73,3937.01) 5991.73,3937.01 cw(c6141.73,3937.01) 6141.73,4087.01 cw(c6141.73,3937.01)
  pour cut-out: 12157.87,3937.01 cw(c12007.88,3937.01) 12007.87,3787.01 cw(c12007.87,3937.01) 11857.87,3937.01 cw(c12007.87,3937.01) 12007.87,4087.01 cw(c12007.88,3937.01)
  pour cut-out: 10059.45,2005.55 cw(c9909.45,2005.55) 9909.45,1855.55 cw(c9909.45,2005.55) 9759.45,2005.55 cw(c9909.45,2005.55) 9909.45,2155.55 cw(c9909.45,2005.55)
  pour cut-out: 12157.87,2086.61 cw(c12007.88,2086.61) 12007.87,1936.61 cw(c12007.87,2086.61) 11857.87,2086.61 cw(c12007.87,2086.61) 12007.87,2236.61 cw(c12007.88,2086.62)
  pour cut-out: 11240.55,824.45 cw(c11090.55,824.45) 11090.55,674.45 cw(c11090.55,824.45) 10940.55,824.45 cw(c11090.55,824.45) 11090.55,974.45 cw(c11090.55,824.45)
  pour cut-out: 12157.87,236.22 cw(c12007.88,236.22) 12007.87,86.22 cw(c12007.87,236.22) 11857.87,236.22 cw(c12007.87,236.22) 12007.87,386.22 cw(c12007.88,236.22)
  pour cut-out: 1772.09,43.58 1774.04,-341.43 2574.04,-341.43 2572.09,43.58

## Dimensions
0,0 to 1793.31,-339.96 on Dimensions
2248.03,11.81 to 0,236.22 on Dimensions
236.22,4173.23 to 236.22,0 on Dimensions
0,3937.01 to 12244.09,3937.01 on Dimensions
1341.5,-1538.98 to 1422.29,-1538.98 on Manufacturing Notes
1422.29,-1538.98 to 1511.21,-1294.66 on Manufacturing Notes

## Text inside footprints (layer, text, board x,y; h text height)
H1: IN1 "3" at 11342.72,49.8 h50; POW2 "7" at 11542.72,49.8 h50; GND3 "6" at 11492.72,49.8 h50; IN2 "10" at 11692.72,49.8 h50; GND1 "2" at 11292.72,49.8 h50; GND2 "4" at 11392.72,49.8 h50; BOT "12" at 11792.72,49.8 h50; GND6 "11" at 11742.72,49.8 h50; POW1 "5" at 11442.72,49.8 h50; GND5 "9" at 11642.72,49.8 h50; GND4 "8" at 11592.72,49.8 h50; TOP "1" at 11242.72,49.8 h50
HEAT1: Top Overlay "M3" at 4793.34,400.17 h40; Top Overlay "M3" at 3612.24,1581.27 h40; Bottom Overlay "M3" at 4859.34,400.17 h40; Bottom Overlay "M3" at 3678.24,1581.27 h40; Top Assembly "M3" at 4793.34,400.17 h40; Top Assembly "M3" at 3612.24,1581.27 h40
HEAT2: Top Overlay "M3" at 3954.76,3376.54 h40; Top Overlay "M3" at 5529.56,1801.74 h40; Bottom Overlay "M3" at 4020.76,3376.54 h40; Bottom Overlay "M3" at 5595.56,1801.74 h40; Top Assembly "M3" at 3954.76,3376.54 h40; Top Assembly "M3" at 5529.56,1801.74 h40
HEAT3: Top Overlay "M3" at 10002,2138 h40; Top Overlay "M3" at 11183.1,956.9 h40; Bottom Overlay "M3" at 10068,2138 h40; Bottom Overlay "M3" at 11249.1,956.9 h40; Top Assembly "M3" at 10002,2138 h40; Top Assembly "M3" at 11183.1,956.9 h40
J11: Top Overlay "1" at 12049.86,906.5 h65 r90; Board Outline "INSERT WIRES ON THIS SIDE" at 12219.15,989.17 h31.5 r90
J18: Top Overlay "*" at 1735,4130 h65 r180
J20: Top Overlay "TDO" at 3787.44,3802.5 h25; Top Overlay "RTCK" at 3787.45,3852.5 h25; Top Overlay "TDI" at 3787.45,3902.5 h25; Top Overlay "nTRST" at 3787.44,3952.5 h25; Top Overlay "RESET" at 3787.44,4002.5 h25; Top Overlay "TCK" at 3510.8,3852.5 h25; Top Overlay "GND" at 3510.8,3902.5 h25; Top Overlay "TMS" at 3510.8,3952.5 h25; Top Overlay "VCC" at 3510.8,4002.5 h25
U1: Top Overlay "A" at 3881.74,1079.8 h30; Top Overlay "1" at 3979.25,1160.12 h30; Top Overlay "T" at 3881.74,606.97 h30; Top Overlay "9" at 4226.22,1160.12 h30
U6: Top Overlay "6" at 4821.34,1190.99 h30 r90; Top Overlay "A" at 4924.01,923.27 h30 r90; Top Overlay "1" at 4821.34,1038.51 h30 r90; Top Overlay "H" at 5144.48,923.27 h30 r90
U7: Bottom Overlay "VIN+" at 9900,3482.5 h25; Bottom Overlay "ON/OFF" at 9900,3182.5 h25; Bottom Overlay "VIN-" at 9900,2882.5 h25; Bottom Overlay "VOUT-" at 8266.63,2882.5 h25; Bottom Overlay "SENSE-" at 8291.62,3032.5 h25; Bottom Overlay "TRIM" at 8237.47,3182.5 h25; Bottom Overlay "SENSE+" at 8291.62,3332.5 h25; Bottom Overlay "VOUT+" at 8266.63,3482.5 h25
U36: Top Overlay "VIN+" at 9582.5,3745 h25 r270; Top Overlay "ON/OFF" at 9282.5,3745 h25 r270; Top Overlay "VIN-" at 8982.5,3745 h25 r270; Top Overlay "VOUT-" at 8982.5,2111.63 h25 r270; Top Overlay "SENSE-" at 9132.5,2136.62 h25 r270; Top Overlay "TRIM" at 9282.5,2082.47 h25 r270; Top Overlay "SENSE+" at 9432.5,2136.62 h25 r270; Top Overlay "VOUT+" at 9582.5,2111.63 h25 r270